# Altium PCB ReboostV2.PcbDoc (part 1 of 2) (continued)
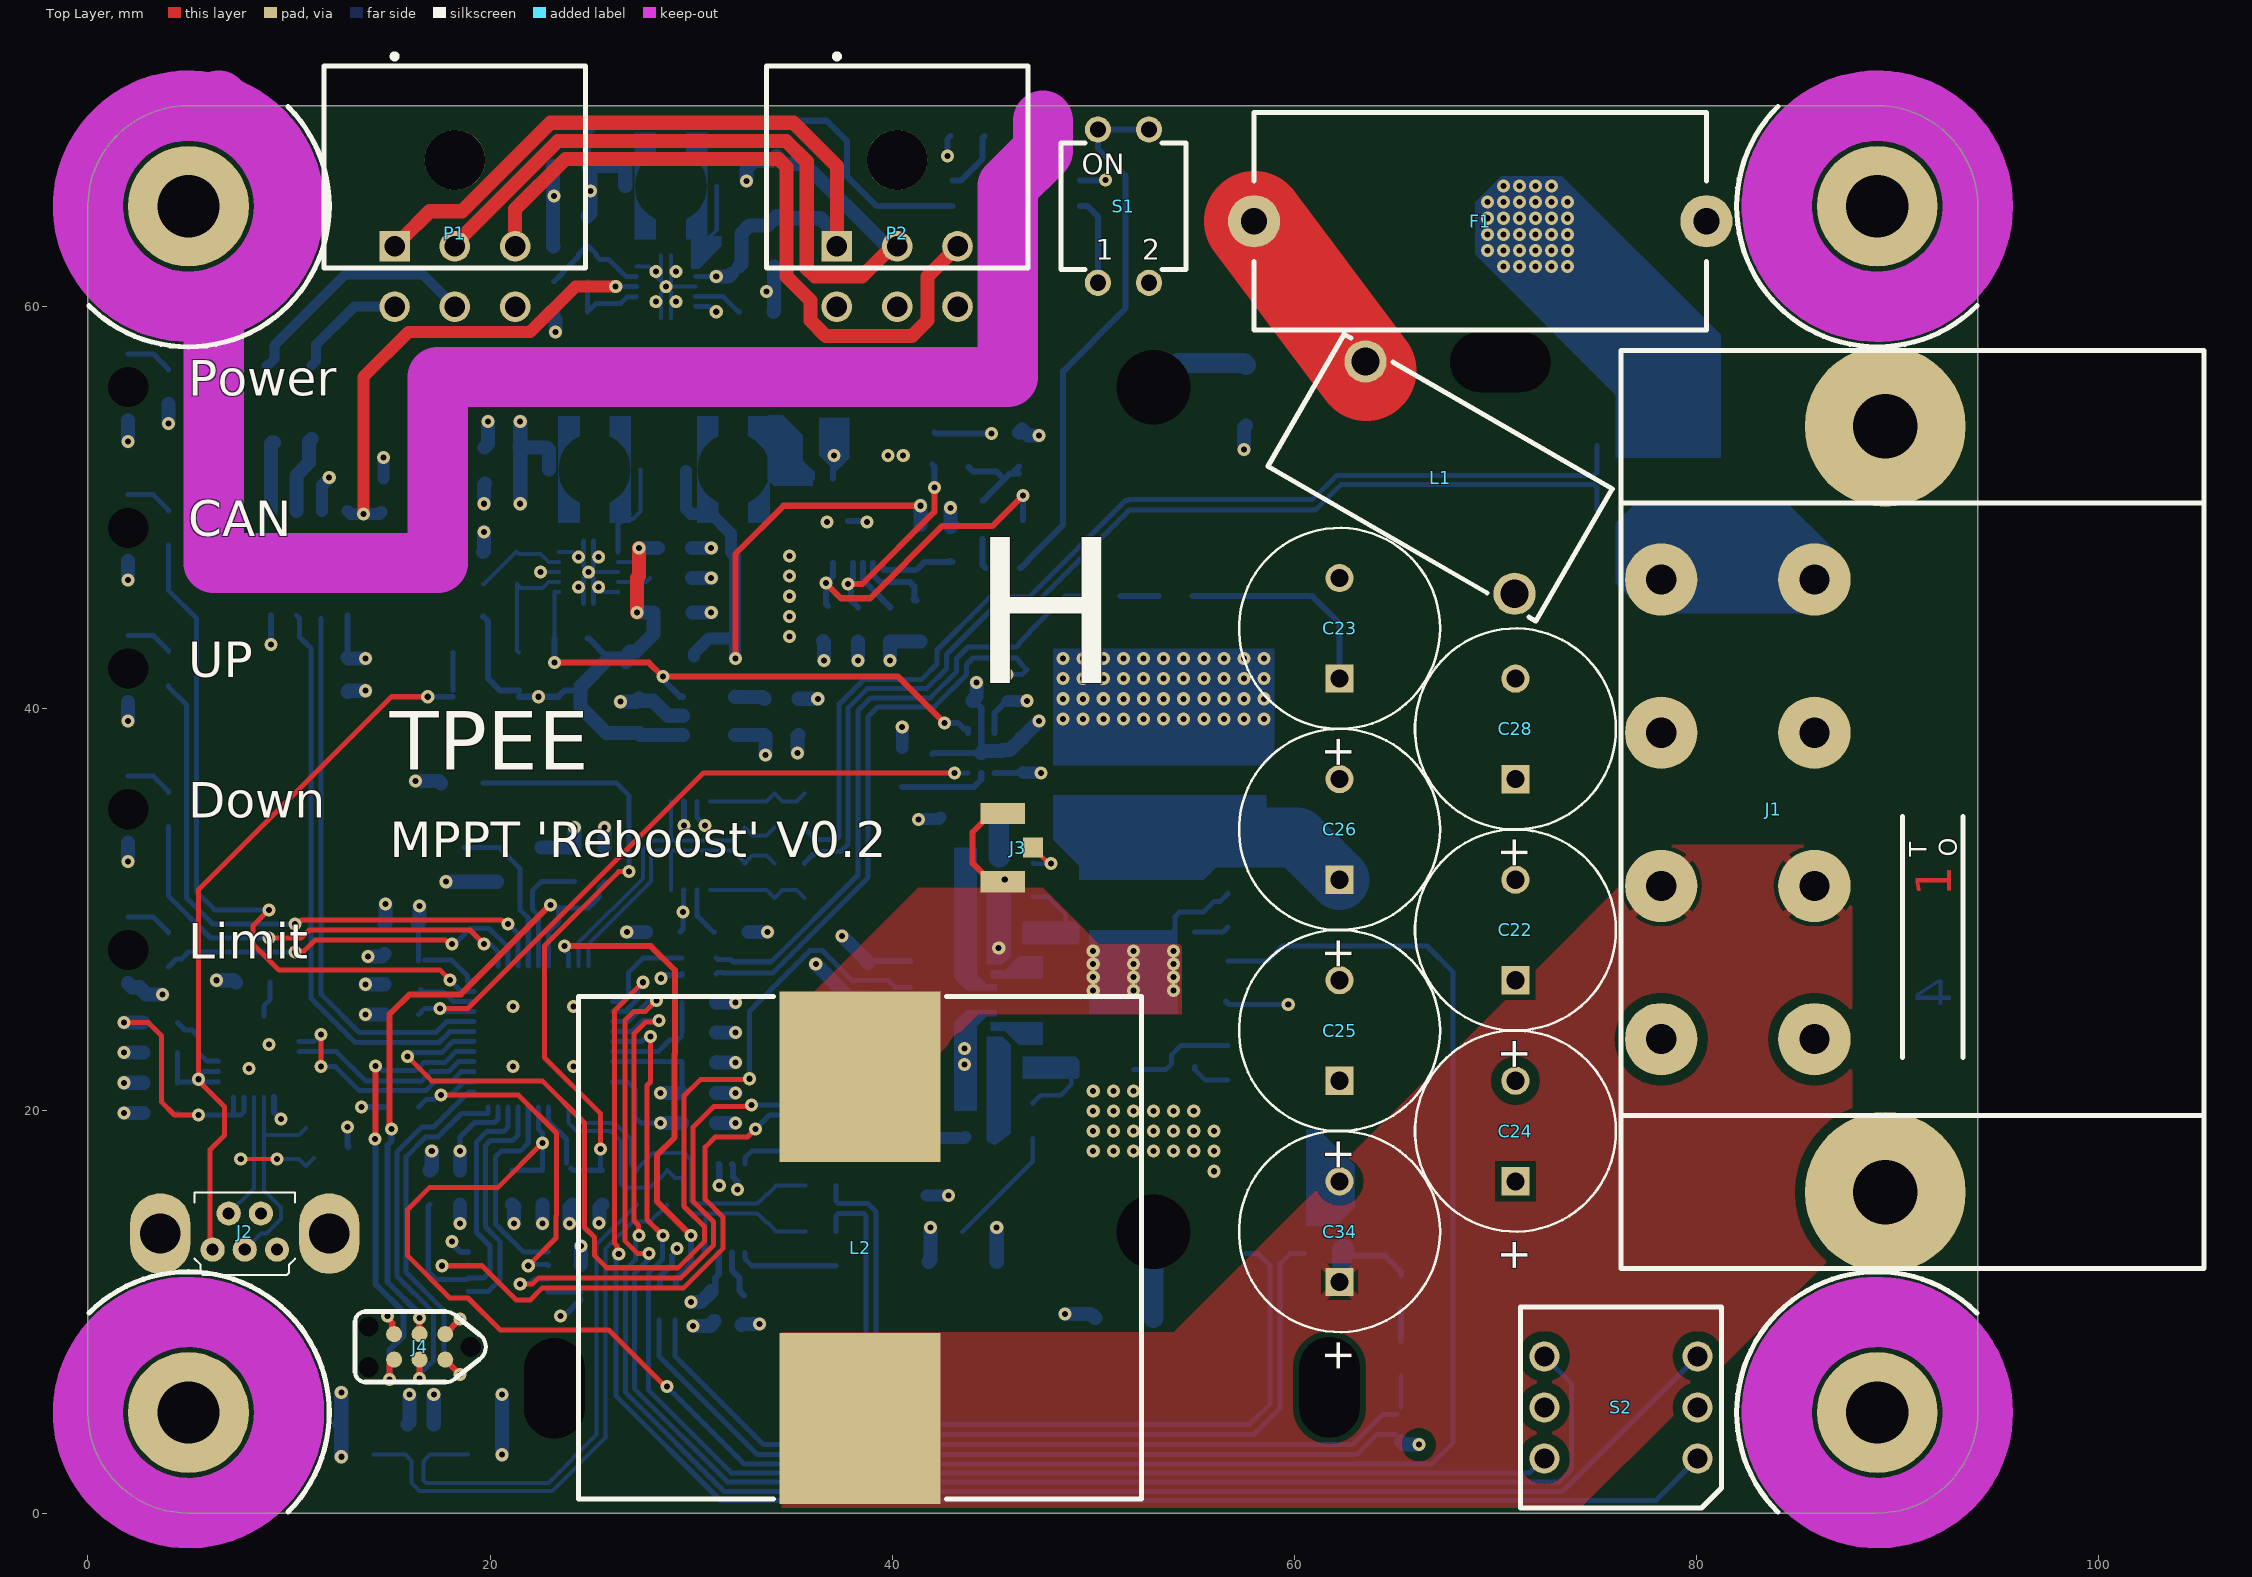
[diagram p0: Top Layer view]
## Footprints (in the part's own frame and the unit in brackets; to place one, negate y for a bottom-side part, rotate by r counter-clockwise, add the part's x,y. Pads: shape width x height; smd on the part's side, far side on the other; paste and mask are expansions set on the pad) (continued)
U_FL [mm]
  rect 1.05x2.2 smd: 0(-1.7,0) 0(1.7,0)
  rect 1x1 smd: 1(0,1.5)
  Top Layer pour cut-out: -0.5,1 -0.5,0.5 -0.7,0.3 -0.7,-0.3 -0.7,-0.3 -0.5,-0.5 0.5,-0.5 0.7,-0.3 0.7,0.3 0.7,0.3 0.5,0.5 0.5,1
  body extent -1.45,-1.4 1.45,1.5, height 1.36
USB-B-MINI-VERT [mm]
  oval 3x4 hole 2: 0(-4.2,-0.1) 0(4.2,-0.1)
  round 1.2 hole 0.6: 1(-1.6,-0.9) 2(-0.8,0.9) 3(0,-0.9) 4(0.8,0.9) 5(1.6,-0.9)
  silkscreen extent -2.5,-2.15 2.5,1.95, body extent -5.1,-2.03 5.1,1.93, height 9.2
WCAP-ATUL_10x20x5x0.6 [mm] "Polarized capacitors, Aluminum Electrolytic Capacitors, 2-Leads, Body 10x20x5x0.6"
  rect 1.4x1.4 hole 0.9: 1(2.5,0)
  round 1.4 hole 0.9: 2(-2.5,0)
  silkscreen extent -5,-5 5,5, body extent -4.99,-5 4.96,4.97, height 20.11
WE-CNSW_0805 [mm] "SMT Common Mode Line Filter, 4-leads, body 2x1.2mm"
  rect 0.9x0.4 smd: 1(-0.85,0.4) 2(0.85,0.4) 3(0.85,-0.4) 4(-0.85,-0.4)
  silkscreen extent -1,0.9 -0.8,1.1, body extent -1,-0.6 1,0.6, height 1.19
WE-CNSW_1812 [mm] "SMT Common Mode Line Filter, 4-leads, body 4.5x3.2mm"
  rect 1.15x1.55 smd: 1(-1.825,-1.125) 2(1.825,-1.125) 3(1.825,1.125) 4(-1.825,1.125)
  silkscreen extent -3.02,-1.7 0.95,1.7, body extent -2.25,-1.6 2.25,1.6, height 2.84
WE-HCF_2920 [mm] "SMD High Current Inductor, body 28x25mm"
  rect 8x8.5 smd: 1(0,8.5) 2(0,-8.5)
  silkscreen extent -14,-12.5 14,12.5, body extent -13.65,-11.55 13.65,11.55, height 20
"WE-TPC 4828, MH" [mm] "SMD Inductor, 2-Leads, Body 4,8x4,8mm"
  rect 0.95x5.3 smd: 1(-2.275,0) 2(2.275,0)
  Top Layer region: -1.8,-2.65 -0.75,-2.65 -0.75,-1.65 -1,-1.5 -1.2,-1.35 -1.35,-1.2 -1.5,-1 -1.65,-0.7 -1.7,-0.6 -1.75,-0.4 -1.8,0
  Top Layer region: 1.8,-2.65 0.75,-2.65 0.75,-1.65 1,-1.5 1.2,-1.35 1.45,-1.1 1.55,-0.95 1.7,-0.65 1.75,-0.45 1.8,0
  Top Layer region: 1.8,2.65 0.75,2.65 0.75,1.65 0.95,1.55 1.1,1.45 1.45,1.1 1.6,0.85 1.65,0.75 1.75,0.45 1.8,0
  Top Layer region: -1.8,2.65 -0.75,2.65 -0.75,1.65 -0.85,1.6 -1.1,1.45 -1.4,1.15 -1.55,0.95 -1.7,0.65 -1.75,0.45 -1.8,0
  silkscreen extent -0.15,-2.5 0.15,2.5, body extent -2.4,-2.4 2.4,2.4, height 2.79
"WL-SMRW_1206 cylindrical_Reverse use" [mm] "SMD Mono-color Reverse mount LED, body 3.2x1.2mm"
  rect 1.1x1.6 smd: 1(-1.65,0) 2(1.65,0)
  round 1.8 hole 2 unplated: ""(0,0)
  silkscreen extent -2.45,-1.05 2.45,1.05, body extent -1.6,-0.8 1.6,0.8, height 0.4
WSON-6 [mm] "WSON, 6-Leads, Body 2,00x2,00mm,  TI"
  rrect30% 0.7x0.3 smd: 1(-0.995,0.65) 2(-0.995,0) 3(-0.995,-0.65) 4(0.995,-0.65) 5(0.995,0) 6(0.995,0.65)
  rrect10% 0.89x1.6 smd: 7(0,0)
  silkscreen extent -1.5,-1.2 1.1,1.25, body extent -1.05,-1.05 1.05,1.05, height 0.8

## Part data
C1_IHS C1_ILS C4_IHS C4_ILS: library part 1nF/0603/CER/50V, "Capacitor, 1nF, 50V, X7R", Capacitance Tolerance="± 10%", Capacitor Case Style=0603, Dielectric Characteristic=X7R, Temperature Range="-55°C to +125°C", Voltage Rating=50V, Brand=KEMET, Brand Number=C0603C102K5RACTU, Capacitance=1nF, Order Code Supplier=1414608, Price=0,011, Supplier=Farnell
C2_IHS C2_ILS C3_IHS C3_ILS C20 C21 C42 C45 C54 C59 C60: library part 100nF/0603/CER/50V, "Capacitor, 100nF, 50V, X7R", Capacitance Tolerance="± 10%", Capacitor Case Style=0603, Dielectric Characteristic=X7R, Temperature Range="-55°C to +125°C", Voltage Rating=16V, Brand=MULTICOMP, Brand Number=MC0603B104K160CT, Capacitance=100nF, Order Code Supplier=1759016, Price=0,01, Supplier=Farnell
C5 C7 C8 C30 C40 C56: library part 2.2uF/0603/CER/16V, "Capacitor, 2.2uF, 16V, X5R", Capacitance Tolerance="+/- 10%", Capacitor Case Style=0603, Dielectric Characteristic=X5R, Temperature Range="-55°C to 85°C", Voltage Rating=16V, Brand=MURATA, Brand Number=GRM188R61C225KE15D, Capacitance=2.2uF, Order Code Supplier=1735526, Price=0,077, Supplier=Farnell
C6 C9 C13 C15 C16 C17 C18 C31 C39 C51 C61: library part 100nF/0603/CER/50V, "Capacitor, 100nF, 50V, X7R", Capacitance Tolerance="± 10%", Capacitor Case Style=0603, Dielectric Characteristic=X7R, Temperature Range="-55°C to +125°C", Voltage Rating=50V, Brand=MULTICOMP, Brand Number=MCCA000255, Capacitance=100nF, Order Code Supplier=1759122RL, Price=0,008, Supplier=Farnell
C10 C11: library part 15pF/0603/CER/50V, "Capacitor, 15pF, 50V, C0G / NP0", Capacitance Tolerance="± 5%", Capacitor Case Style=0603, Dielectric Characteristic="C0G / NP0", Temperature Range="-55°C to +125°C", Voltage Rating=50V, Brand=MULTICOMP, Brand Number=MCCA000194, Capacitance=15pF, Order Code Supplier=1759055, Price=0,009, Supplier=Farnell
C12 C14: library part 2.2uF/0603/CER/16V, "Capacitor, 2.2uF, 16V, X5R", Capacitance Tolerance="± 10%", Capacitor Case Style=C0603, Dielectric Characteristic=X5R, Temperature Range="-55°C to +85°C", Voltage Rating=10V, Brand=TDK, Brand Number=C1608X5R1A105K080AC, Capacitance=1uF, Order Code Supplier=2346890, Price=0,0083, Supplier=Farnell
C19: library part 2.2uF/0603/CER/16V, "Capacitor, 2.2uF, 16V, X5R", Capacitance Tolerance="± 10%", Capacitor Case Style=0603, Dielectric Characteristic=X7R, Temperature Range="-55°C to +125°C", Voltage Rating=50V, Brand=MULTICOMP, Brand Number=MCCA000255, Capacitance=100nF, Order Code Supplier=1759122RL, Price=0,008, Supplier=Farnell
C22 C23 C24 C25 C26 C28 C34: library part 100uF/ALU/100V, "Aluminum Electrolytic Capacitor, 100uF, 100V", Capacitance Tolerance="± 20%", Capacitor Case Style="Radial Leaded 10 x 20", Supplier Part Number 1=661-EKYB101E101MJ20S, Temperature Range="-40°C to +85°C", Voltage Rating=100V, Capacitance=100uF, Supplier 1=Mouser
C27 C29: library part 100nF/0805/CER/100V, "Capacitor, 100nF, 100V, X7R", Capacitance Tolerance="± 10%", Capacitor Case Style=1206, Dielectric Characteristic=X7R, Temperature Range="-55°C to +125°C", Voltage Rating=100V, Brand=KEMET, Brand Number=C1206C104K1RACTU, Capacitance=100nF, Order Code Supplier=1414714, Price=0,079, Supplier=Farnell
C32 C33 C36 C37 C38 C44 C64: library part 1uF/1206/CER/100V, "Capacitor, 1uF, 100V, X7R", Capacitance Tolerance="± 10%", Capacitor Case Style=1206, Dielectric Characteristic=X7R, Temperature Range="-55°C to +125°C", Voltage Rating=100V, Brand=AVX, Brand Number=12061C105K4Z2A, Capacitance=1uF, Order Code Supplier=1833855, Price=0,52, Supplier=Farnell
C35 C43: library part 100nF/0805/CER/100V, "Capacitor, 100nF, 100V, X7R", Capacitance Tolerance="± 10%", Capacitor Case Style=0805, Dielectric Characteristic=X7R, Temperature Range="-55°C to +125°C", Voltage Rating=100V, Brand=KEMET, Brand Number=C0805C104K1RACTU, Capacitance=100nF, Order Code Supplier=1650862, Price=0,096, Supplier=Farnell
C41: library part 10uF/0805/CER/10V, "Capacitor, 10uF, 10V, X7R", Capacitance Tolerance="± 10%", Capacitor Case Style=0603, Dielectric Characteristic=X7R, Temperature Range="-55°C to +125°C", Voltage Rating=16V, Brand=MULTICOMP, Brand Number=MC0603B104K160CT, Capacitance=100nF, Order Code Supplier=1759016, Price=0,01, Supplier=Farnell
C46 C53: library part 10uF/0805/CER/10V, "Capacitor, 10uF, 10V, X7R", Capacitance Tolerance="± 10%", Capacitor Case Style=0805, Dielectric Characteristic=X7R, Temperature Range="-55°C to +125°C", Voltage Rating=10V, Brand=MURATA, Brand Number=GRM21BR71A106KE51L, Capacitance=10uF, Order Code Supplier=1828828, Price=0,36, Supplier=Farnell
C47 C55 C57: library part 10nF/0603/CER/50V, "Capacitor, 10nF, 50V, X7R", Capacitance Tolerance="± 10%", Capacitor Case Style=0603, Dielectric Characteristic=X7R, Temperature Range="-55°C to +125°C", Voltage Rating=50V, Brand=KEMET, Brand Number=C0603C103K5RACTU, Capacitance=10nF, Order Code Supplier=1414609, Price=0,011, Supplier=Farnell
C48 C49 C50: library part 4.7uF/0805/CER/16V, "Capacitor, 4.7uF, 16V, X7R", Capacitance Tolerance="± 10%", Capacitor Case Style=0805, Dielectric Characteristic=X7R, Temperature Range="-55°C to +125°C", Voltage Rating=16V, Brand=MURATA, Brand Number=GRM21BR71C475KA73L, Capacitance=4.7uF, Order Code Supplier=1797015, Price=0,26, Supplier=Farnell
C52: library part 2.2uF/0603/CER/16V, "Capacitor, 2.2uF, 16V, X5R", Capacitance Tolerance="± 10%", Capacitor Case Style=0805, Dielectric Characteristic=X5R, Temperature Range="-55°C to +125°C", Voltage Rating=50V, Brand=MURATA, Brand Number=GRM219R61H225KE15D, Capacitance=2.2uF, Order Code Supplier=2611933, Price=0,113, Supplier=Farnell
C58: library part 10uF/0805/CER/10V, "Capacitor, 10uF, 10V, X7R", Capacitance Tolerance="± 10%", Capacitor Case Style=C0603, Dielectric Characteristic=X5R, Temperature Range="-55°C to +85°C", Voltage Rating=10V, Brand=MURATA, Brand Number=GRM188R61A225ME34D, Capacitance=2.2uF, Order Code Supplier=2426956, Price=0,008, Supplier=Farnell
C63: library part 100nF/0603/CER/16V, "Capacitor, 100nF, 16V, X7R", Capacitance Tolerance="± 10%", Capacitor Case Style=0603, Dielectric Characteristic=X7R, Temperature Range="-55°C to +125°C", Voltage Rating=16V, Brand=MULTICOMP, Brand Number=MC0603B104K160CT, Capacitance=100nF, Order Code Supplier=1759016, Price=0,01, Supplier=Farnell
D1: "Diode TVS Dual, Vrwm: 5.5V Vc: 8V", Case Style=SOT-23, Clamping Voltage=8V, Temperature Range="-40°C to +125°C", Brand=LITTLEFUSE, Brand Number=SP0502BAHTG, Order Code Supplier=1827631, Price=0,80, Supplier=Farnell, Vrwm=5.5V
D2 D3: "Diode Schottky, Vrrm: 100V, If: 1A, Vf: 0.9V", Case Style=SMF, Forward Current=1A, Forward Voltage=0.9V, Temperature Range="-55°C to +150°C", Brand="TAIWAN SEMICONDUCTOR", Brand Number=SS110L, Order Code Supplier=1559156, Price=0,191, Supplier=Farnell, Vrrm=100V
D4: "Optocoupler, Vout:80V, Iin:0.01A", Input Current=0.01A, Isolation Voltage=2500V, Output Voltage=80V, Temperature Range="-55°C to +100°C", Brand="FAIRCHILD SEMICONDUCTOR", Brand Number=HMHA2801, Order Code Supplier=1652504, Price=0,28, Supplier=Farnell
D5 D6 D7: "Diode Schottky, Vrrm: 70V, If: 0.2A, Vf: 0.5V", Case Style=SOD-123, Forward Current=0.2A, Forward Voltage=0.5V, Temperature Range="-55°C to +125°C", Brand="ON SEMICONDUCTOR", Brand Number=MMSD701T1G, Order Code Supplier=1431102, Price=0,115, Supplier=Farnell, Vrrm=70V
F1: library part 0031.8201, "Fuse, Holder, 10A, 250V, T:-40°C +85°C", Brand=SCHURTER, Brand Number=0031.8201, Order Code Supplier=1162740, Price=0,43, Supplier=Farnell
J1: library part "PC 4/4-G-7,62_1", "Header, Close Horizontal, 1x4, Male, 7.62mm, TH", Brand="PHOENIX CONTACT", Brand Number="PC 4/4-G-7,62", Order Code Supplier=1792930, Pitch=7.62mm, Price=2,92, Supplier=Farnell
J2: library part WE-651005136421, "Connector, Usb B Mini, Vertical, TH, WR-COM", Case Style=WR-COM, Brand="WURTH ELEKTRONIK", Brand Number=651005136421, Order Code Supplier=1841175, Price=3,37, Supplier=Farnell
J3 J5 J6 J7: library part U.FL-R-SMT, "Connector RF Coax", Case Style=U_FL, Brand=Hiroze, Brand Number=U.FL-R-SMT(01), Order Code Supplier=3908021, Price=1,53, Supplier=Farnell
J4: library part TC2030-IDC, "“No Legs” 6-pin Plug-of-Nails™ Cable fitted with a 6-pin 0.1″ pitch ribbon connector."
L1: library part 744710210, "WE-SD Rod Core Choke, 2uH, 10A", DC Resistance=3.8mOhm, Inductance=2uH, Manufacturer="Wurth Elektronik", Operating Temperature="-40 to +150degC", Rated Current=10A, ComponentLink1Description=Manufacturer, ComponentLink1URL=http://www.we-online.de, ComponentLink2Description=Datasheet, ComponentLink2URL=https://www.we-online.com/catalog/datasheet/744710210.pdf, Manufacturer Part Number=744710210, Mounting Technology=THT, Packaging=Carton, Published Date="April 2020"
L2: library part 74437429203680, "WE-HCF SMT High Current Inductor, size 2920, 68uH, 11.2A, 24.42mOhm", DC Resistance max.=16.83mOhm, DC Resistance typ.=15.3mOhm, Inductance=33uH, Manufacturer="Wurth Elektronik", Manufacturer Part Number=74437429203330, Operating Temperature="-40 to +125degC", Rated Current=13A, Saturation Current=16.3A, Self Resonant Frequency=8MHz, ComponentLink1Description=Manufacturer, ComponentLink1URL=http://www.we-online.de, ComponentLink2Description=Datasheet, ComponentLink2URL=https://www.we-online.com/catalog/datasheet/74437429203330.pdf, Mounting Technology=SMT, Packaging="Tray and Carton", Published Date="September 2020", Size=2920
L3 L4 L5: library part 744043151, "150UH, 30%, 0.42A", Case Style="WE-TPC 4828", DC Current=0.42A, DC Resistance=0.770ohm, Inductance=150uH, Temperature Range="-40°C to +125°C", Brand=Wurth, Brand Number=744043151, Order Code Supplier=2082517, Price=1,36, Supplier=Farnell
L6: library part 744235801, "WE-CNSW SMT Common Mode Line Filter, size 1812, 800Ohm, 1A, 60V", DC Resistance max.=0.12Ohm, Insulation Test Voltage=125VAC, Manufacturer="Wurth Elektronik", Operating Temperature="-40 to +125degC", Rated Current=1A, Rated Voltage=60V, ComponentLink1Description=Manufacturer, ComponentLink1URL=http://www.we-online.de, ComponentLink2Description=Datasheet, ComponentLink2URL=https://www.we-online.com/catalog/datasheet/744235801.pdf, Impedance=800Ohm, Impedance Test Condition=100MHz, Manufacturer Part Number=744235801, Mounting Technology=SMT, Packaging="Tape and Reel", Published Date="April 2020", Size=1812, Winding Style=bifiliar
L7_VHS L7_VLS: library part 744231091, "WE-CNSW SMT Common Mode Line Filter, size 0805, 90Ohm, 0.37A, 50V", DC Resistance max.=0.3Ohm, Insulation Test Voltage=125VAC, Manufacturer="Wurth Elektronik", Operating Temperature="-40 to +125degC", Rated Current=0.37A, Rated Voltage=50V, ComponentLink1Description=Manufacturer, ComponentLink1URL=http://www.we-online.de, ComponentLink2Description=Datasheet, ComponentLink2URL=https://www.we-online.com/catalog/datasheet/744231091.pdf, Impedance=90Ohm, Impedance Test Condition=100MHz, Manufacturer Part Number=744231091, Mounting Technology=SMT, Packaging="Tape and Reel", Published Date="April 2020", Size=0805, Winding Style=bifiliar
LED1 LED4 LED5: library part 156120GS75300, "LED, Reverse Mount, Cylindrical, Green", Brand=Wurth, Brand Number=156120GS75300, Order Code Supplier=2322091, Price=0,519, Supplier=Farnell
LED2 LED3: library part 156120RS75300, "LED, Reverse Mount, Cylindrical, Red", Brand=Wurth, Brand Number=156120RS75300, Order Code Supplier=2322094, Price=0,519, Supplier=Farnell
MP1 MP2: library part 9774020151, "WA-SMSI SMT Steel Spacer, M2.5 Thread Internal, OD 5.1mm, M2.5x2mm", Manufacturer="Wurth Elektronik", Operating Temperature="-55 to +150degC", ComponentLink1Description=Manufacturer, ComponentLink1URL=http://www.we-online.de, ComponentLink2Description=Datasheet, ComponentLink2URL=https://www.we-online.com/catalog/datasheet/9774020151.pdf, Inner Diameter=3.5mm, Inner Thread Length=-, Length=2mm, Manufacturer Part Number=9774020151, Material=Steel, Mounting Technology=SMT, Outer Diameter=5.1mm, Packaging=Bulk, Published Date="April 2020", Surface=Tin, Thread=M2.5
P1 P2: "THT Male Header WR-MPC3, with Snap-in Plastic Pegs, Right Angled, Dual Row, pitch 3 mm, 6 pins", Contact Resistance="10 mOhm", Operating Temperature="-40 to 105 degC", Working Voltage="250 VAC", ComponentLink1Description=Manufacturer, ComponentLink1URL=http://www.we-online.de, ComponentLink2Description=Datasheet, ComponentLink2URL=https://katalog.we-online.de/em/datasheet/6620xx21022.pdf, Gender=Male, Mounting Technology=THT, Orientation="Right Angled", Packaging=Tube, Part Number=66200621022, Pin Number=6, Pitch="3 mm", Published Date="September 2018", Publisher="Wurth Elektronik"
Q1 Q2: "GAN TRANS E-MODE 100V 90A TOP SIDE COOL"
Q3: "Transistor, PNP, Vce:-150V, Vcb:-160V, Veb:-5V, Ic:-0,5A, Hfe:60 to 240", Base Emittor Voltage=6V, Case Style=SOT-23, Collector Current=-0.5A, Collector Emittor Voltage=160V, Temperature Range="-55°C to +150°C", Brand="ON SEMICONDUCTOR", Brand Number=MMBT5401LT1G, Hfe="60 to 240", Order Code Supplier=1459108, Price=0,041, Supplier=Farnell, Transistor Polarity=PNP
R1 R2 R3 R4 R5: library part 330/0603/0063W/50V, "Resistor, 330R, 1%, 0.063W, 50V, 100PPM, 0603", Case Style=0603, Power Rating=0.063W, Temperature Coefficient="± 100PPM", Temperature Range="-55°C to +125°C", Voltage Rating=50V, Brand="VISHAY DRALORIC", Brand Number=CRCW0603330RFKEA, Order Code Supplier=2122302, Price=0,038, Resistance=330R, Supplier=Farnell
R6_IHS R6_ILS: library part 0.005/2512/2000W/200V, "Resistor, 0.005R, 1%, 2W, 50PPM", Case Style=2512, Power Rating=2W, Temperature Coefficient="± 50PPM", Temperature Range="-55°C to +170°C", Voltage Rating=200V, Brand=OHMITE, Brand Number=FC4L64R005FER, Order Code Supplier=2363991, Price=3,07, Resistance=0.005R, Supplier=Farnell
R7_IHS R7_ILS R9_IHS R9_ILS: library part 1K/0603/0063W/50V, "Resistor, 1K, 1%, 0.063W, 50V, 100PPM, 0603", Case Style=0603, Power Rating=0.063W, Temperature Coefficient="± 100PPM", Temperature Range="-55°C to +125°C", Voltage Rating=50V, Brand="VISHAY DRALORIC", Brand Number=CRCW06031K00FKEA, Order Code Supplier=2122366, Price=0,039, Resistance=1K, Supplier=Farnell
R8_IHS R8_ILS R10_IHS R10_ILS R47: library part 47K/0603/0063W/50V_1, "Resistor, 47K, 0.1%, 0.063W, 50V, 100PPM, 0603", Case Style=0603, Power Rating=0.063W, Supplier Part Number 1=1577628, Temperature Coefficient="± 100PPM", Temperature Range="-55°C to +125°C", Voltage Rating=50V, Resistance=47k, Supplier=Farnell, Supplier 1=Farnell
R11 R16 R17 R24 R32 R36 R42 R44 R45 R49_VHS R49_VLS R50: library part 10K/0603/0063W/50V, "Resistor, 10K, 1%, 0.063W, 50V, 100PPM, 0603", Case Style=0603, Power Rating=0.063W, Temperature Coefficient="± 100PPM", Temperature Range="-55°C to +125°C", Voltage Rating=50V, Brand="VISHAY DRALORIC", Supplier=Farnell
  R11 R16 R17 R24 R42 R44 R45 R49_VHS R49_VLS R50: Brand Number=CRCW060310K0FKEA, Order Code Supplier=2122493, Price=0,038, Resistance=10K
  R32: Brand Number=CRCW0603180KFKEA, Order Code Supplier=2122648, Price=0,038, Resistance=180K
  R36: Brand Number=CRCW060313K0FKEA, Order Code Supplier=2122505, Price=0,0005, Resistance=13K
R12_VHS R12_VLS: library part 120K/0603/0063W/50V, "Resistor, 120K, 1%, 0.063W, 50V, 100PPM, 0603", Case Style=0603, Power Rating=0.063W, Temperature Coefficient="± 100PPM", Temperature Range="-55°C to +125°C", Voltage Rating=50V, Brand="VISHAY DRALORIC", Brand Number=CRCW0603120KFKEA, Order Code Supplier=2122628, Price=0,038, Resistance=120K, Supplier=Farnell
R13_VHS R13_VLS: library part 180K/0603/0063W/50V, "Resistor, 180K, 1%, 0.063W, 50V, 100PPM, 0603", Case Style=0603, Power Rating=0.063W, Temperature Coefficient="± 100PPM", Temperature Range="-55°C to +125°C", Voltage Rating=50V, Brand="VISHAY DRALORIC", Brand Number=CRCW0603180KFKEA, Order Code Supplier=2122648, Price=0,038, Resistance=180K, Supplier=Farnell
R14 R15: library part 10K/0603/0063W/50V, "Resistor, 10K, 1%, 0.063W, 50V, 100PPM, 0603", Case Style=0603, Power Rating=0.063W, Resistance=10K, Temperature Coefficient="± 100PPM", Temperature Range="-55°C to +125°C", Voltage Rating=50V, Brand="VISHAY DRALORIC", Brand Number=CRCW060310K0FKEA, Order Code Supplier=2122493, Price=0,038, Supplier=Farnell
R18 R19 R28: library part 100K/0603/0063W/50V, "Resistor, 100K, 1%, 0.063W, 50V, 100PPM, 0603", Case Style=0603, Power Rating=0.063W, Temperature Coefficient="± 100PPM", Temperature Range="-55°C to +125°C", Voltage Rating=50V, Brand="VISHAY DRALORIC", Brand Number=CRCW0603100KFKEA, Order Code Supplier=2122619, Price=0,039, Resistance=100K, Supplier=Farnell
R20 R21: library part NTCS0805E4104JMT, "NTC, 100K, 25°C, 0.5%, 0.210W, 0805", Case Style=0805, Power Rating=0.210W, Resistance=100K, Temperature Range="-55°C to +150°C", Brand="VISHAY BC COMPONENTS", Brand Number=NTCS0805E4104JMT, Order Code Supplier=1187095, Price=0,59, Supplier=Farnell, Type=NTC-100K
R22 R27: library part 2/0603/0100W/75V, "Resistor, 2R, 5%, 0.1W, 75V, 200PPM, 0603", Case Style=0603, Power Rating=0.1W, Temperature Coefficient="± 200PPM", Temperature Range="-55°C to +125°C", Voltage Rating=75V, Brand=PANASONIC, Brand Number=ERJ3GEYJ2R0V, Order Code Supplier=2059531, Price=0,009, Resistance=2R, Supplier=Farnell
R23 R46 R51 R52: library part 49.9K/0603/0063W/50V, "Resistor, 49.9K, 1%, 0.063W, 50V, 100PPM, 0603", Case Style=0603, Power Rating=0.063W, Temperature Coefficient="± 100PPM", Temperature Range="-55°C to +125°C", Voltage Rating=50V, Brand="VISHAY DRALORIC", Brand Number=CRCW060349K9FKEA, Order Code Supplier=1652882, Price=0,015, Resistance=49.9K, Supplier=Farnell
R25: library part 750K/0603/0063W/50V, "Resistor, 750K, 1%, 0.063W, 50V, 100PPM, 0603", Case Style=0603, Power Rating=0.063W, Temperature Coefficient="± 200PPM", Temperature Range="-55°C to +125°C", Voltage Rating=50V, Brand="VISHAY DRALORIC", Brand Number=CRCW06030000Z0EA, Order Code Supplier=2122112, Price=0,043, Resistance=0R, Supplier=Farnell
R26: library part 470K/0603/0063W/50V, "Resistor, 470K, 1%, 0.063W, 50V, 100PPM, 0603", Case Style=0603, Power Rating=0.063W, Temperature Coefficient="± 200PPM", Temperature Range="-55°C to +125°C", Voltage Rating=50V, Brand="VISHAY DRALORIC", Brand Number=CRCW06030000Z0EA, Order Code Supplier=2122112, Price=0,043, Resistance=0R, Supplier=Farnell
R29: library part 470/0603/0063W/50V, "Resistor, 470, 1%, 0.063W, 50V, 100PPM, 0603", Case Style=0603, Power Rating=0.063W, Temperature Coefficient="± 100PPM", Temperature Range="-55°C to +125°C", Voltage Rating=50V, Brand="VISHAY DRALORIC", Brand Number=CRCW0603470RFKEA, Order Code Supplier=2122323, Price=0,038, Resistance=470, Supplier=Farnell
R30: library part 20K/0603/0063W/50V, "Resistor, 20K, 1%, 0.063W, 50V, 100PPM, 0603", Case Style=0603, Power Rating=0.063W, Temperature Coefficient="± 100PPM", Temperature Range="-55°C to +125°C", Voltage Rating=50V, Brand="VISHAY DRALORIC", Brand Number=CRCW060320K0FKEA, Order Code Supplier=2122528, Price=0,038, Resistance=20K, Supplier=Farnell
R31: library part 100/0603/0063W/50V, "Resistor, 100R, 1%, 0.063W, 50V, 200PPM, 0603", Case Style=0603, Power Rating=0.063W, Temperature Coefficient="± 200PPM", Temperature Range="-55°C to +125°C", Voltage Rating=50V, Brand="VISHAY DRALORIC", Brand Number=CRCW0603100RFKEA, Order Code Supplier=2122239, Price=0,007, Resistance=100R, Supplier=Farnell
R33: library part 130K/0603/0063W/50V, "Resistor, 130K, 1%, 0.063W, 50V, 100PPM, 0603", Case Style=0603, Power Rating=0.063W, Temperature Coefficient="± 100PPM", Temperature Range="-55°C to +125°C", Voltage Rating=50V, Brand="VISHAY DRALORIC", Brand Number=CRCW0603180KFKEA, Order Code Supplier=2122648, Price=0,038, Resistance=180K, Supplier=Farnell
R34: library part 750K/0603/0063W/50V, "Resistor, 750K, 1%, 0.063W, 50V, 100PPM, 0603", Case Style=0805, Power Rating=0.1W, Temperature Coefficient="± 100PPM", Temperature Range="-55°C to +155°C", Voltage Rating=150V, Brand=MULTICOMP, Brand Number="MC 0.1W 0805 1% 1M", Order Code Supplier=9332413, Price=0,038, Resistance=1M, Supplier=Farnell
R35: library part 47K/0603/0063W/50V_1, "Resistor, 47K, 0.1%, 0.063W, 50V, 100PPM, 0603", Case Style=0603, Power Rating=0.063W, Temperature Coefficient="± 100PPM", Temperature Range="-55°C to +125°C", Voltage Rating=50V, Brand="VISHAY DRALORIC", Brand Number=CRCW060313K0FKEA, Order Code Supplier=2122505, Price=0,0005, Resistance=13K, Supplier=Farnell
R37 R38: library part 200K/0603/0063W/50V, "Resistor, 200K, 1%, 0.063W, 50V, 100PPM, 0603", Case Style=0603, Power Rating=0.063W, Temperature Coefficient="± 100PPM", Temperature Range="-55°C to +125°C", Voltage Rating=50V, Brand="VISHAY DRALORIC", Brand Number=CRCW0603200KFKEA, Order Code Supplier=2122655, Price=0,038, Resistance=200K, Supplier=Farnell
R39: library part 0/0603/0063W/50V, "Resistor, 0R, 0.1%, 0.063W, 50V, 200PPM, 0603", Case Style=0805, Power Rating=0.1W, Temperature Coefficient="± 100PPM", Temperature Range="-55°C to +155°C", Voltage Rating=150V, Brand=MULTICOMP, Brand Number="MC 0.1W 0805 1% 1M", Order Code Supplier=9332413, Price=0,038, Resistance=1M, Supplier=Farnell
R40: library part 200K/0603/0100W/75V, "Resistor, 200K, 1%, 0.1W, 75V, 100PPM, 0603", Case Style=0603, Power Rating=0.1W, Temperature Coefficient="± 100PPM", Temperature Range="-55°C to +155°C", Voltage Rating=75V, Brand="VISHAY DRALORIC", Brand Number=CRCW0603200KFKEA, Order Code Supplier=2122655, Price=0,022, Resistance=200K, Supplier=Farnell
R41: library part 0/0603/0063W/50V, "Resistor, 0R, 0.1%, 0.063W, 50V, 200PPM, 0603", Case Style=0603, Power Rating=0.063W, Temperature Coefficient="± 100PPM", Temperature Range="-55°C to +125°C", Voltage Rating=50V, Brand="VISHAY DRALORIC", Brand Number=CRCW060378K7FKEA, Order Code Supplier=2122606, Price=0,017, Resistance=78.7K, Supplier=Farnell
R43: library part 0/0603/0063W/50V, "Resistor, 0R, 0.1%, 0.063W, 50V, 200PPM, 0603", Case Style=0603, Power Rating=0.063W, Temperature Coefficient="± 200PPM", Temperature Range="-55°C to +125°C", Voltage Rating=50V, Brand="VISHAY DRALORIC", Brand Number=CRCW06030000Z0EA, Order Code Supplier=2122112, Price=0,043, Resistance=0R, Supplier=Farnell
R48: library part 12K/0603/0063W/50V, "Resistor, 12K, 1%, 0.063W, 50V, 100PPM, 0603", Case Style=0603, Power Rating=0.063W, Temperature Coefficient="± 1%", Temperature Range="-55°C to +125°C", Voltage Rating=50V, Brand="VISHAY DRALORIC", Brand Number=CRCW060312K0FKEA, Order Code Supplier=2122501, Price=0,0006, Resistance=12K, Supplier=Farnell
S1: "WS-DITV Small Compact THT Dip Switch, Raised Actuator, pitch 2.54mm, 2p", Operating Temperature="-40 to +85degC", Rated Current Non-Switching=100mA, Rated Current Switching=25mA, Rated Voltage Non-Switching=50VDC, Rated Voltage Switching=24VDC, Actuator Type="Raise Type", Circuit=SPST-NO, ComponentLink1Description=Manufacturer, ComponentLink1URL=http://www.we-online.de, ComponentLink2Description=Datasheet, ComponentLink2URL=https://katalog.we-online.com/em/datasheet/418127270902.pdf, Contact Material="Copper Alloy", Contact Plating=Gold, Mounting Technology=THT, Operation Force=600g, Packaging=Tube, Part Number=418127270902, Pitch=2.54mm, Pole Number=2, Published Date="September 2019", Publisher="Wurth Elektronik"
S2: "WS-ROTV THT Rotary Switch with Arrow Type Actuator, 10x10mm, 16 positions", Operating Temperature="-40 to +85degC", Rated Current=150mA, Rated Voltage=24VDC, Actuator Type="Arrow Type", ComponentLink1Description=Manufacturer, ComponentLink1URL=http://www.we-online.de, ComponentLink2Description=Datasheet, ComponentLink2URL=https://katalog.we-online.com/em/datasheet/428527320916.pdf, Cover Material=PA66, Mounting Technology=THT, Packaging=Tube, Part Number=428527320916, Position Number=16, Published Date="September 2019", Publisher="Wurth Elektronik", Size=10x10mm, Terminal Plating=Gold, Washable=Yes
U1_IHS U1_ILS: library part LTC6362HMS8, "Precision, Low Power Rail-to-Rail Input/Output Differential Op Amp", Supplier Part Number 1=584-LTC6362CMS8#PBF, Supplier 1=Mouser
U2: "USB to UART converter", Case Style=QFN24, Brand="Silicon Labs", Brand Number=CP2104-F03-GM, Order Code Supplier=757-4983, Price=1,65, Supplier=RS-Components
U3: library part STM32G474CEU6, "ARM MCU, STM32 Family STM32G4 Series Microcontrollers, ARM Cortex-M4F, 32bit, 170 MHz, 512 KB", Supplier Part Number 1=497-STM32G474CEU6-ND, Supplier 1=Digi-Key, Supplier 2=Farnell, Supplier Part Number 2=3132392
U4: "Dual 2-input AND gate", Order Code Supplier=771-74LVC2G08DP-G, Supplier=Mouser
U5: library part Si8273ABIM1, "4 Amp ISOdriver with High Transient (dV/dt) Immunity", Supplier Part Number 1=634-SI8273AB-IM1, Supplier 1=Mouser, Supplier 2=Digi-Key, Supplier Part Number 2=336-5932-ND
U6: "ISO1044 Isolated CAN FD Transceiver in Small Package", Supplier Part Number 1=296-ISO1044DEVM-ND, Supplier 1=Digi-Key, Supplier 2=Mouser, Supplier Part Number 2=595-ISO1044DEVM
U7: library part LM5165X, "Buck Vreg 150mA 5Vout 5-65Vin", Case Style=MSOP-8, Temperature Range="-40°C to +85°C", Brand="Texas Instruments", Brand Number=LM5165XDRCT, Order Code Supplier=595-LM5165XDRCT, Price=3,70, Supplier=Mouser
U8: "High Efficiency, 150V 100mA Synchronous Step-Down Regulator", ComponentLink1Description="New link"
U9: library part LM5165Y, "Buck Vreg 150mA 3V3 out 5-65Vin", Case Style=MSOP-8, Temperature Range="-40°C to +85°C", Brand="Texas Instruments", Brand Number=LM5165YDRCT, Order Code Supplier=595-LM5165YDRCT, Price=3,70, Supplier=Mouser
U10: "LDO, 0.3VDO, 3.3V, 0.15A, 1%", Case Style=SOT-23-5, Current=0.15A, Temperature Range="-40°C to +85°C", Brand="TEXAS INSTRUMENTS", Brand Number=LP2985AIM5-3.3/NOPB, Order Code Supplier=1469134, Price=0,73, Supplier=Farnell, Vin-max=5.5V, Vin-min=3.6V, Vout=3.3V
U11: library part TPS7A2501DRVT, "TPS7A25 300-mA,18-V, Ultra-LowIQ, Low-DropoutLinearVoltageRegulatorWith Power-Good", Supplier Part Number 1=296-TPS7A2501DRVTCT-ND, Supplier 1=Digi-Key, Supplier 2=Mouser, Supplier Part Number 2=595-TPS7A2501DRVT
X1: library part 7M-16.000MAAJ-T, "CRYSTAL, 16MHz,18PF CL, 3.2X2.5MM SMT", Brand=TXC, Brand Number=7M-16.000MAAJ-T, Order Code Supplier=1842060, Price=1,45, Supplier=Farnell

## Free pads (board coordinates)
  round 6 hole 3.1: 20(5,5) 20(89,5) 20(89,65) -(5,65)
  oval 0.4x0.8 hole 3 slot 5 at 90 deg unplated: 21(23.2,6.2) 21(61.75,6.25)
  oval 0.8x0.4 hole 3 slot 5 at 0 deg unplated: 21(70.25,57.25)

## Via types
v1: diameter 0.65, hole 0.3, Top Layer to Bottom Layer, tented both sides, 304 vias

## Nets (pads, with @x,y where several pads share a name; then routed paths per layer and width w, separated by ;. In a path a pad name is that pad's centre, name@x,y a point inside that pad or via, vN(x,y) a via of type N, cw(c..) or ccw(c..) an arc to the next point about the centre after c; other vN are vias at no path point)
5Vcan: C42.2 C45.2 C46.2 D4.1 L3.2 U6.8 U7.8 | length 57.5
  Top Layer w0.6: v1(13.7,49.7) 13.7,56.5 15.94,58.74 18.772,58.74 18.782,58.75 20.718,58.75 20.728,58.74 21.99,58.74 24.25,61 v1(26.25,61)
  Layer 1 w0.3: v1(25,65.75) 26.25,64.5 v1(26.25,61)
  Bottom Layer w0.25: v1(26.25,61) U7.8@27.275,61
  Bottom Layer w0.3: C46.2@24.875,67 24.875,68.625 25.5,69.25 36.75,69.25 37.75,68.25 37.75,66.49 39.24,65 D4.1@43,65
  Bottom Layer w0.6: U6.8@12.905,49.85 13.055,49.7 v1(13.7,49.7) 14.5,49.7 C45.2@14.6,49.8
  Bottom Layer w0.7: C42.2@24.85,64.5 25,64.65 v1(25,65.75) 25,66.875 C46.2@24.875,67 26.6,67 26.725,66.875 L3.2@26.725,66
_IHS_N: C1_IHS.2 R8_IHS.2 U1_IHS.4 U3.11 | length 15.7
  Bottom Layer w0.2: U3.11@24.9,27.2 24.9,28.3 28,31.4 28,32.7 28.25,32.95 28.878,32.95 ; U1_IHS.4@28.995,31 28.995,32.833 28.878,32.95 ; R8_IHS.2@32.65,32.3 33.05,32.7 33.75,32.7 C1_IHS.2@34.15,32.3 ; R8_IHS.2@32.7,32.3 32.25,32.75 32.2,32.75 32,32.95 28.878,32.95